# Altium PCB mutiADC_STM.PcbDoc (part 1 of 2) (continued)
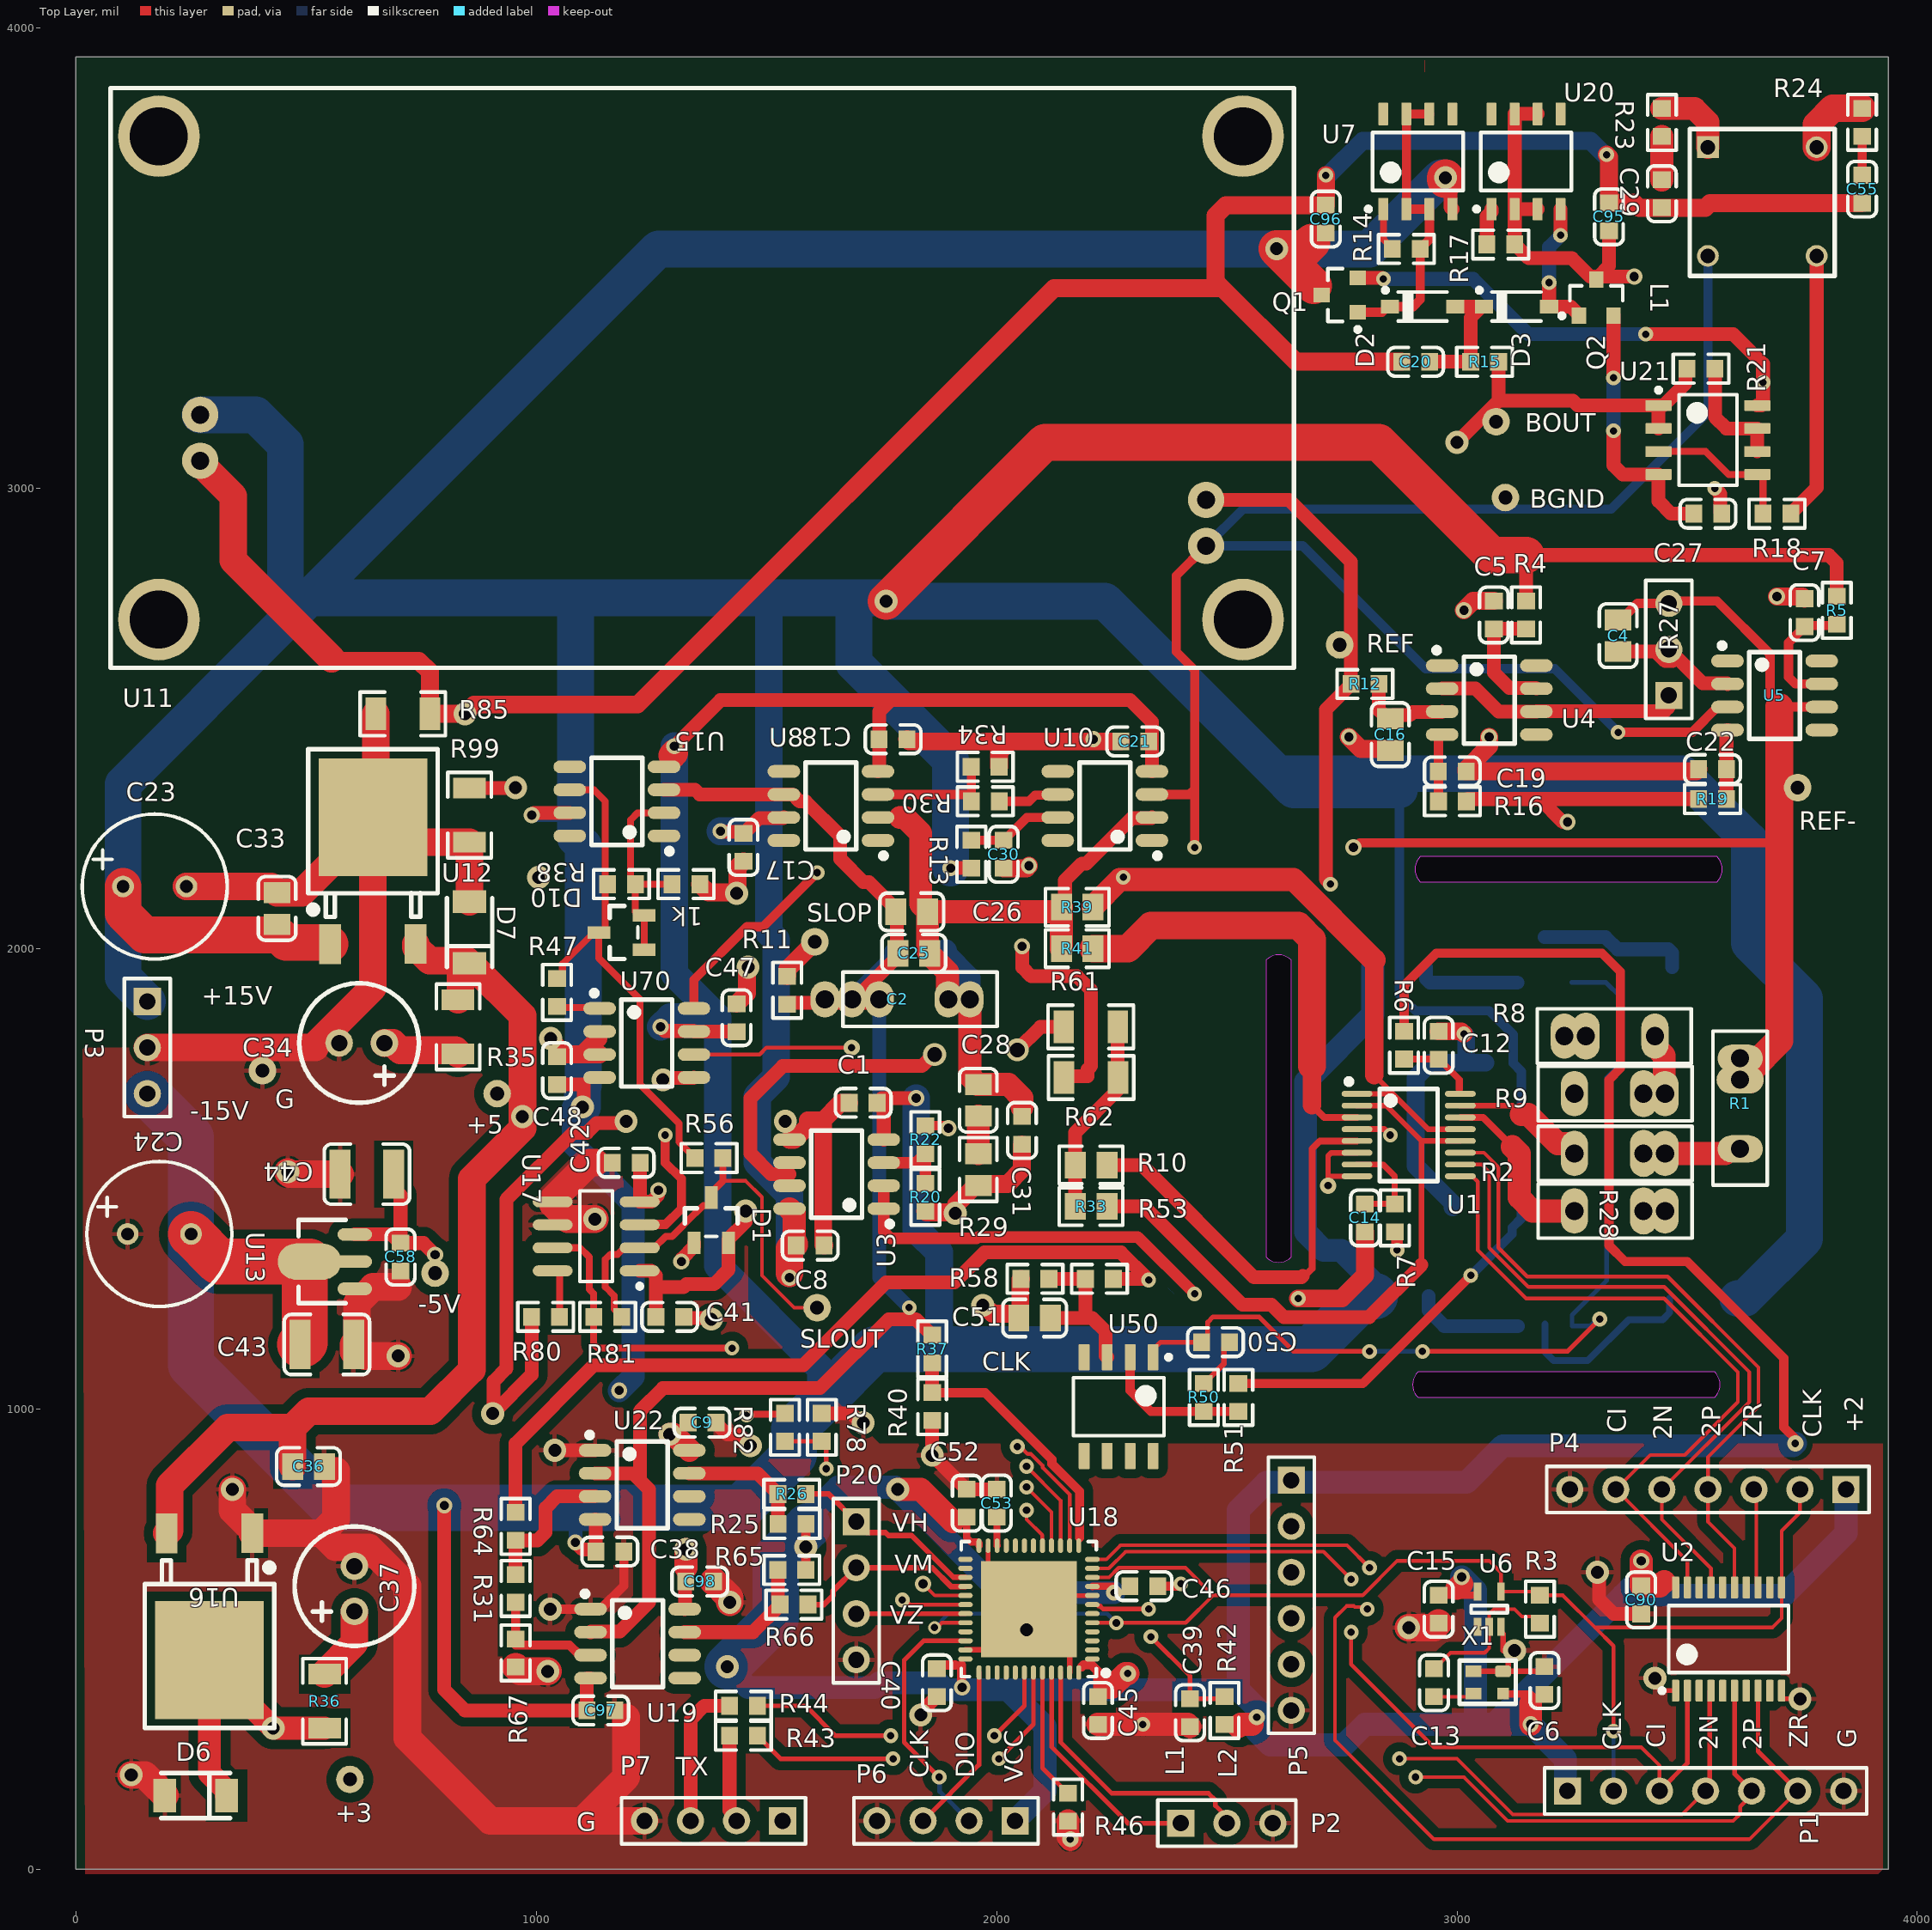
[diagram p0: Top Layer view]
## Footprints (in the part's own frame and the unit in brackets; to place one, negate y for a bottom-side part, rotate by r counter-clockwise, add the part's x,y. Pads: shape width x height; smd on the part's side, far side on the other; paste and mask are expansions set on the pad) (continued)
  silkscreen extent -3.1,-3.45 2.55,1.6
LM4 [mm]
  rect 1.2x1.2 hole 0.8: 1(0,0)
  round 1.2 hole 0.8: 2(0,-6) 3(6,-6) 4(6,0)
  silkscreen extent -1,-7.1 7,1
NSO8_N [mm] "SOIC, 8-Leads, Body 4.9x3.9mm, Pitch 1.27mm, IPC Medium Density"
  oval 2.2x0.6 smd: 1(-2.4,1.905) 2(-2.4,0.635) 3(-2.4,-0.635) 4(-2.4,-1.905) 5(2.4,-1.905) 6(2.4,-0.635) 7(2.4,0.635) 8(2.4,1.905)
  silkscreen extent -2.53,-2.5 0.9,2.88, body extent -2,-2.5 2,2.5, height 1.75
ONSC-SOT-23-3-318-08_V [mm] "SOT23, 3-Leads, Body 2.92x1.3mm, Pitch 0.95mm"
  rect 0.9x0.8 smd: 1(-1,0.95) 2(-1,-0.95) 3(1,0)
  silkscreen extent -1.13,-1.46 0.65,2.02, body extent -0.65,-1.46 0.65,1.46, height 1.11
PW0020A_L [mm] "SOP, 20-Leads, Body 6.6x4.5mm, Pitch 0.65mm, IPC High Density"
  rrect25% 1.2x0.4 smd: 1(-2.85,2.925) 2(-2.85,2.275) 3(-2.85,1.625) 4(-2.85,0.975) 5(-2.85,0.325) 6(-2.85,-0.325) 7(-2.85,-0.975) 8(-2.85,-1.625) 9(-2.85,-2.275) 10(-2.85,-2.925) 11(2.85,-2.925) 12(2.85,-2.275) 13(2.85,-1.625) 14(2.85,-0.975) 15(2.85,-0.325) 16(2.85,0.325) 17(2.85,0.975) 18(2.85,1.625) 19(2.85,2.275) 20(2.85,2.925)
  silkscreen extent -2.97,-3.3 1.85,3.8, body extent -3.21,-3.25 3.21,3.25, height 1
REF_PCB [mm]
  round 4.5 hole 3.2: 0(2.667,2.667) 0(2.667,29.337) 0(62.484,2.667) 0(62.484,29.337)
  round 2 hole 1: 1(4.953,13.97) 2(4.953,11.43) 3(60.452,6.731) 4(60.452,9.271)
  silkscreen extent 0,0 65.3,32
res_381 [mm]
  oval 1.5x2.5 hole 1: 1(0,0) 2(5,0)
  oval 1.5x2.6 hole 1: 2(3.81,0)
  silkscreen extent -2,-1.5 6.5,1.5
res_381_L [mm]
  oval 1.6x2 hole 1: 1(-3,0) 1(0,0)
  oval 1.5x2 hole 1: 1(-1.5,0) 2(3.81,0) 2(5,0)
  silkscreen extent -2,-1.5 6.5,1.5
SMD_2520 [mm]
  rrect50% 0.889x0.658 smd: 1(0,0)
  rect 0.889x0.65 smd: 2(1.63,0) 3(1.63,1.23)
  rect 0.65x0.65 smd: 4(0,1.23)
  silkscreen extent -0.7,-0.6 2.4,1.8
SOD-123 [mm]
  rect 1x0.75 smd: 1(1.8,0) 2(-1.8,0)
  silkscreen extent -2.17,-0.8 1.35,1.02

## Part data
1k R1 R2 R3 R4 R5 R6 R7 R8 R9 R10 R11 R12 R13 R14 R15 R16 R17 R18 R19 R20 R21 R22 R23 R24 R25 R26 R28 R29 R30 R31 R32 R33 R34 R35 R36 R37 R38 R39 R40 R41 R42 R43 R44 R46 R47 R48 R50 R51 R53 R55 R56 R57 R58 R61 R62 R64 R65 R66 R67 R78 R80 R81 R82 R85 R99: library part Res2, "Resistor", LatestRevisionDate=17-Jul-2002, LatestRevisionNote="Re-released for DXP Platform.", PackageDescription="Axial Device, Thru-Hole; 2 Leads; 0.4 in Pin Spacing", PackageReference=AXIAL-0.4, Published=8-Jun-2000, Publisher="Altium Limited"
C1 C2 C3 C4 C5 C6 C7 C8 C9 C12 C13 C14 C15 C16 C17 C18 C19 C20 C21 C22 C23 C24 C25 C26 C27 C28 C29 C30 C31 C33 C34 C36 C37 C38 C39 C40 C41 C42 C43 C44 C45 C46 C47 C48 C49 C50 C51 C52 C53 C55 C58 C90 C95 C96 C97 C98: library part CAP
D1 D10: "Schottky Barrier Double Diode", ComponentLink1Description="Manufacturer Link", ComponentLink1URL=http://www.semiconductors.philips.com/, ComponentLink2Description=Datasheet, ComponentLink2URL=http://www.semiconductors.philips.com/acrobat/datasheets/BAT54_SERIES_4.pdf, DatasheetVersion=4-Mar-2002, LatestRevisionDate=12-Dec-2006, LatestRevisionNote="IPC-7351 Footprint Added.", PackageDescription="3-Pin SOT-23 Package 0.95 mm Pitch, 2.3 mm Lead Span", PackageReference=SOT23, PackageVersion=May-1999, Published=17-Sep-2003, Publisher="Altium Limited"
D2 D3: library part BZT52C16_[C2105], "Imported", BOM_Manufacturer=CJ, BOM_Manufacturer_Part=BZT52C16, SuppliersPartNumber=C2105, ComponentLink1Description=供应商链接, ComponentLink1URL=https://so.szlcsc.com/global.html?c=&k=C2105, EditorVersion=3.12.3, LCEDA2ULVersion=0.1.6865.39546, LCEDA_url=https://lceda.cn/editor#id=!ca04ec34450a02ae72afae8c1a59e195, Publisher=JLC_SMT, Supplier=LCSC, utime="2017/1/4 21:18:35", uuid=ca04ec34450a02ae72afae8c1a59e195
D6 D7: library part "Diode 1N4006", "1 Amp General Purpose Rectifier", Code_JEDEC=DO-204-AL, ComponentLink1Description="Manufacturer Link", ComponentLink1URL=http://www.fairchildsemi.com/, ComponentLink2Description=Datasheet, ComponentLink2URL=http://www.fairchildsemi.com/ds/1N%2F1N4001.pdf, DatasheetVersion=1998, LatestRevisionDate=17-Jul-2002, LatestRevisionNote="Re-released for DXP Platform.", PackageDescription="Diode, Axial; Body 5.2 x 2.7 mm (LxDia. max), Lead Dia. 0.86 mm (max)", PackageReference=DO-41, PackageVersion=Aug-1999, Published=8-Jun-2000, Publisher="Altium Limited"
P1 P4: "Header, 7-Pin", LatestRevisionDate=17-Jul-2002, LatestRevisionNote="Re-released for DXP Platform.", Publisher="Altium Limited"
P2 P3: "Header, 3-Pin", LatestRevisionDate=17-Jul-2002, LatestRevisionNote="Re-released for DXP Platform.", Publisher="Altium Limited"
P5: "Header, 6-Pin", LatestRevisionDate=17-Jul-2002, LatestRevisionNote="Re-released for DXP Platform.", Publisher="Altium Limited"
P6 P7 P20: "Header, 4-Pin", LatestRevisionDate=17-Jul-2002, LatestRevisionNote="Re-released for DXP Platform.", Publisher="Altium Limited"
Q1: library part CMP-1048-00631-1, "General Purpose Transistor, NPN Silicon, 3-Pin SOT-23, Pb-Free, Tape and Reel", Manufacturer="On Semiconductor", ComponentLink1Description="Manufacturer URL", ComponentLink1URL=http://www.onsemi.com/, ComponentLink2Description=Datasheet, ComponentLink2URL=http://www.onsemi.cn/pub_link/Collateral/MMBT3904LT1-D.PDF, ComponentLink3Description="Package Specification", ComponentLink3URL=http://www.onsemi.cn/pub_link/Collateral/318-08.PDF, DatasheetVersion="Rev. 12", fT Min (MHz)=300, IC Continuous (A)=0.2, Mounting Technology="Surface Mount", PackageDescription="3-Pin Small Outline Transistor, Body 2.92 x 1.3 mm, Pitch 0.95 mm", PackageReference=SOT-23-3-318-08, PackageVersion="Rev. AP, 11/2009", Packing="Tape and Reel", PartNumber=MMBT3904LT1G, Polarity=NPN, RoHS=TRUE
Q2: library part CMP-1048-00670-1, "General Purpose Transistor, PNP Silicon, 3-Pin SOT-23, Pb-Free, Tape and Reel", Manufacturer="On Semiconductor", ComponentLink1Description="Manufacturer URL", ComponentLink1URL=http://www.onsemi.com/, ComponentLink2Description=Datasheet, ComponentLink2URL=http://www.onsemi.cn/pub_link/Collateral/MMBT3906LT1-D.PDF, ComponentLink3Description="Package Specification", ComponentLink3URL=http://www.onsemi.cn/pub_link/Collateral/318-08.PDF, DatasheetVersion="Rev. 11", fT Min (MHz)=250, IC Continuous (A)=-0.2, Mounting Technology="Surface Mount", PackageDescription="3-Pin Small Outline Transistor, Body 2.92 x 1.3 mm, Pitch 0.95 mm", PackageReference=SOT-23-3-318-08, PackageVersion="Rev. AP, 11/2009", Packing="Tape and Reel", PartNumber=MMBT3906LT1G, Polarity=PNP, RoHS=TRUE
R27: library part LS_RES
U2: library part CMP-1619-01020-2, "Octal Edge-Triggered D-Type Flip-Flop With 3-State Outputs, PW0020A, LARGE T&R", F @ Nom Voltage(Max)(Mhz)=100, Generic Part Number=SN74LVC574A, ICC @ Nom Voltage(Max)(mA)=0.01, Manufacturer="Texas Instruments", Operating Temperature Range(C)="-40 to 125,-40 to 85,-55 to 125", Rating=Catalog, tpd @ Nom Voltage(Max)(ns)=21.5,10,7.8,8.8, Voltage(Nom)(V)=1.8,2.5,2.7,3.3, 3-State Output=Yes, Bits(#)=8, Code_JEDEC=MO-153, DatasheetVersion=SCAS301R, Input Type=TTL,CMOS, Output Drive (IOL/IOH)(Max)(mA)=24/-24, Output Logic=Non-inverted, Output Type=CMOS, PackageReference=PW0020A, Schmitt Trigger=No, Technology Family=LVC, VCC(Max)(V)=3.6, VCC(Min)(V)=1.65
U3: library part TL072ACD, "Low-Noise JFET-Input Operational Amplifier", Code_IPC=SOIC127P600-8, Code_JEDEC=MS-012-AA, ComponentLink1Description="Manufacturer Link", ComponentLink1URL=http://www.onsemi.com/site/products/parametrics/0,4446,251,00.html, DatasheetVersion=1988, LatestRevisionDate=13-Apr-2006, LatestRevisionNote="IPC-7351 Footprint Added.", PackageDescription="8-Pin Small Outline Integrated Circuit 1.27 mm Pitch", PackageReference=751-02, Published=17-Jul-2002, Publisher="Altium Limited"
U4 U5 U8 U15: library part OP07CS, "Ultra-Low Offset Voltage Operational Amplifier", Code_IPC=SOIC127P600-8, Code_JEDEC=MS-012-AA, ComponentLink1Description="Manufacturer Link", ComponentLink1URL=http://www.analog.com/en/prod/0,,759_786_OP07%2C00.html, ComponentLink2Description=Datasheet, ComponentLink2URL=http://www.analog.com/UploadedFiles/Data_Sheets/39161232478959OP07_c.pdf, DatasheetVersion=1992, LatestRevisionDate=13-Apr-2006, LatestRevisionNote="IPC-7351 Footprint Added.", Note="Pin 5 is not connected.", PackageDescription="8-Pin Small Outline Integrated Circuit 1.27 mm Pitch", PackageReference=SO-8, PackageVersion=revA, Published=8-Jun-2000, Publisher="Altium Limited"
U7 U20: library part CMP-0063-00575-4, "3-Terminal Adjustable Current Source, 8-pin Narrow SOIC", Manufacturer="Texas Instruments", PackageTopMarking=NSZXTT*LM334*M, PowerWise=N, Code_IPC=SOIC127P600-8, Code_JEDEC=MS-012-AA, ComponentLink1Description="Datasheet URL", ComponentLink1URL=http://www.ti.com/general/docs/lit/getliterature.tsp?genericPartNumber=LM334&fileType=pdf, CompType=MiscPower, High-Reliability=Y, PackageDescription="SOIC Narrow, 4.9 x 3.9 x 1.45mm, 8 Lead, 1.27mm Pitch", PackageReference=D0008A, PartNumber=LM334M, PinCount=8, RoHS=N
U10: library part OP27GS, "Low-Noise, Precision Operational Amplifier", Code_IPC=SOIC127P600-8, Code_JEDEC=MS-012-AA, ComponentLink1Description="Manufacturer Link", ComponentLink1URL=http://www.analog.com/en/prod/0,,759_786_OP27%2C00.html, ComponentLink2Description=Datasheet, ComponentLink2URL=http://www.analog.com/UploadedFiles/Data_Sheets/314538596OP27_c.pdf, DatasheetVersion=1992, LatestRevisionDate=13-Apr-2006, LatestRevisionNote="IPC-7351 Footprint Added.", Note="Pin 5 is not connected.", PackageDescription="8-Pin Small Outline Integrated Circuit 1.27 mm Pitch", PackageReference=SO-8, PackageVersion=revA, Published=8-Jun-2000, Publisher="Altium Limited"
U17: "Ultra-Fast, Precision TTL Comparator", Code_IPC=SOIC127P600-8, Code_JEDEC=MS-012-AA, ComponentLink1Description="Manufacturer Link", ComponentLink1URL=http://www.maxim-ic.com/, DatasheetVersion=Mar-1993, LatestRevisionDate=13-Apr-2006, LatestRevisionNote="IPC-7351 Footprint Added.", PackageDescription="8-Pin Small Outline Integrated Circuit 1.27 mm Pitch", PackageReference=NSO8, Published=16-Jan-2001, Publisher="Altium Limited"
U19 U22: "High-Performance Voltage Comparator", Code_IPC=SOIC127P600-8, Code_JEDEC=MS-012-AA, ComponentLink1Description="Manufacturer Link", ComponentLink1URL=http://www.onsemi.com/site/products/taxonomy/0,4438,133,00.html, DatasheetVersion=1988, LatestRevisionDate=13-Apr-2006, LatestRevisionNote="IPC-7351 Footprint Added.", PackageDescription="8-Pin Small Outline Integrated Circuit 1.27 mm Pitch", PackageReference=751-02, Published=17-Jul-2002, Publisher="Altium Limited"
U21: library part CMP-0272-00255-3, "11 MHz, Precision, Low Noise, Rail-to-Rail Output, JFET Operational Amplifier, 4.5 to 36 V, -40 to 125 degC, 8-pin SOIC (D8), Green (RoHS & no Sb/Br)", Manufacturer="Texas Instruments", Rating=Catalog, Total Supply Voltage(Max)(+5V is 5, +/-5V is 10)=36, Total Supply Voltage(Min)(+5V is 5, +/-5V is 10)=4.5, CMRR(Min)(dB)=126, Code_JEDEC=MS-012, ComponentLink1Description="Manufacturer URL", ComponentLink1URL=http://www.ti.com/, ComponentLink2Description=Datasheet, ComponentLink2URL=http://www.ti.com/lit/ds/symlink/opa2140.pdf, ComponentLink3Description="Package Specification", ComponentLink3URL=http://www.ti.com/litv/pdf/msoi002j, DatasheetVersion=SBOS498A, Eco-Plan="Green (RoHS & no Sb/Br)", GBW(Typ)(MHz)=11, IIB(Max)(pA)=10, Iq per channel(Max)(mA)=2, Mounting Technology="Surface Mount", Number of Channels=2, Offset Drift(Typ)(uV/C)=0.35, PackageDescription="8-Pin Plastic Small Outline, Body 4.9 x 3.9 mm, Pitch 1.27 mm", PackageReference=D0008A, PackageVersion="4040047-3/M, 06/2011", Packing=TUBE, PartNumber=OPA2140AID, Slew Rate(Typ)(V/us)=20, Sub Family="High Supply Voltage Amplifier (>=30V), Low Input Bias Current Amp (<=10pA), Low Noise Amp (<=10nV/rtHz), Low Offset Voltage Amplifier (<=500uV), Precision Amplifier", Vio (25C)(Max)(mV)=0.12
U50: library part CMP-0272-00255-3, "11 MHz, Precision, Low Noise, Rail-to-Rail Output, JFET Operational Amplifier, 4.5 to 36 V, -40 to 125 degC, 8-pin SOIC (D8), Green (RoHS & no Sb/Br)", Manufacturer="Texas Instruments", PartNumber=OPA2140AID, Rating=Catalog, Total Supply Voltage(Max)(+5V is 5, +/-5V is 10)=36, Total Supply Voltage(Min)(+5V is 5, +/-5V is 10)=4.5, CMRR(Min)(dB)=126, Code_JEDEC=MS-012, ComponentLink1Description="Manufacturer URL", ComponentLink1URL=http://www.ti.com/, ComponentLink2Description=Datasheet, ComponentLink2URL=http://www.ti.com/lit/ds/symlink/opa2140.pdf, ComponentLink3Description="Package Specification", ComponentLink3URL=http://www.ti.com/litv/pdf/msoi002j, DatasheetVersion=SBOS498A, Eco-Plan="Green (RoHS & no Sb/Br)", GBW(Typ)(MHz)=11, IIB(Max)(pA)=10, Iq per channel(Max)(mA)=2, Mounting Technology="Surface Mount", Number of Channels=2, Offset Drift(Typ)(uV/C)=0.35, PackageDescription="8-Pin Plastic Small Outline, Body 4.9 x 3.9 mm, Pitch 1.27 mm", PackageReference=D0008A, PackageVersion="4040047-3/M, 06/2011", Packing=TUBE, Slew Rate(Typ)(V/us)=20, Sub Family="High Supply Voltage Amplifier (>=30V), Low Input Bias Current Amp (<=10pA), Low Noise Amp (<=10nV/rtHz), Low Offset Voltage Amplifier (<=500uV), Precision Amplifier", Vio (25C)(Max)(mV)=0.12

## Free pads (board coordinates)
  round 60 hole 30: 2(1605,2015) 3(3105,2980) 4(3085,3145) 5(2745,2660) 6(3740,2350) 7(1610,1220) 8(595,195) 9(780,1295) 10(915,1685) 11(405,1735)

## Via types
v1: diameter 32, hole 16, Top Layer to Bottom Layer, tented both sides, 52 vias
v2: diameter 50, hole 28, Top Layer to Bottom Layer, tented both sides, 45 vias
v3: diameter 35, hole 20, Top Layer to Bottom Layer, tented both sides, 29 vias
v4: diameter 35, hole 16, Top Layer to Bottom Layer, tented both sides, 7 vias
v5: diameter 50, hole 32, Top Layer to Bottom Layer, tented both sides, 2 vias
v6: diameter 28, hole 16, Top Layer to Bottom Layer, tented both sides, 1 vias

## Nets (pads, with @x,y where several pads share a name; then routed paths per layer and width w, separated by ;. In a path a pad name is that pad's centre, name@x,y a point inside that pad or via, vN(x,y) a via of type N, cw(c..) or ccw(c..) an arc to the next point about the centre after c; other vN are vias at no path point)
+3.3VA: C12.1 R6.2 U1.16 | length 159
  Top Layer w15: R6.2@2885,1760 2885.16,1759.84 2959.84,1759.84 C12.1@2960,1759.68 2960.98,1759.68 3005,1715.67 3005,1695
+3V: C6.1 C15.1 C40.1 C45.1 C46.1 C52.1 C90.1 D6.2 P1.1 P4.1 P5.1 P6.1 P7.1 pad.8 R6.1 R25.1 R36.1 R42.2 R65.1 R80.1 U2.20 U6.5 U16.2 U18.1 U18.9 U18.24 U18.36 U18.48 U70.5 X1.4 | length 13761.1
  Top Layer w16: C52.1@1935,764.68 1935,720 1944.46,710.54 1959.24,710.54 1961.73,708.06 U18.24@1961.73,702.8 ; U18.9@2207.8,614.21 2207.97,614.39 v4@2255,614.39 ; C15.1@2960,595.32 3044.14,595.32 3044.41,595.58 U6.5@3044.41,603.19 ; X1.4@3100,381.57 3100.94,380.63 3160,380.63
  Top Layer w20: R65.1@1585.31,650 1585.47,650.16 v2(1585.47,700) 1585.47,749.84 R25.1@1585.63,750 ; C40.1@1870,435.32 1878.31,443.62 1910,443.62 ; 1923.62,443.62 1923.62,396.38 v3(1925,395) ; 2185,440 2189.22,444.22 2205.78,444.22 2220,430 C45.1@2220,375.32 ; R6.1@2885,1820.63 2885,1920 2955,1990 3315,1990 3355,1950 3355,1740 3330,1715 3330,1355 3365,1320 3500,1320 3710,1110 3710,960 v4@3740,930
  Top Layer w30: v2(905,990) v2@907.12,992.12 ; R80.1@989.69,1200 989.69,1074.69 v2@907.12,992.12 ; v2(1195,1625) 1191.17,1621.17 1131.17,1621.17 1110,1600 1080,1600 935,1455 935,1087.88 907.12,1060 v2@907.12,992.12 ; v2(1275,1715) 1278.78,1718.78 1341.14,1718.78 U70.5@1342.36,1720
  Top Layer w50: U16.2@290,454.41 U16.2@290,444.57 ; D6.2@326.93,160 326.93,171.02 290,207.95 U16.2@290,444.57 ; R36.1@540,306.34 v2(428.23,306.34) U16.2@290,444.57 ; v2(1785,825) 1835,825 1905,755 ; 2235,395 2250,395 2280,425 v4(2285,425) ; 2525,310 2530,315 2555,315 ; 3000,610 v3@3010,620 ; v3(3160,315) 3160,360 ; v3(3400,670) C90.1@3400,615.32 3440.31,615.32 3450,625
  Layer 1 w30: v2(1195,1625) 1195,1630.41 1205,1640.41 1205,1685 1235,1715 v2(1275,1715)
  Layer 1 w100: v2(428.23,306.34) 484.57,250 845,250 ; v2(905,990) 915,980 915,320 845,250 ; v2(1415,440) 1255,280 1255,250 ; 1555,140 1555,191.42 1496.42,250 1255,250 ; 845,250 1255,250
  Bottom Layer w50: v2(1415,440) 1460.53,394.47 1734.47,394.47 1745,405 1872.5,405 1887.5,390 2025,390 ; 1590,745 1590,765 1655,830 1780,830 v2(1785,825) 2009.33,600.67 v4(2255,600.67) ; P6.1@2040,105 2105,170 2105,310 2025,390 ; v4(2285,425) 2250,390 ; v3(3010,635) 3010.71,635 3040,605.71 3040,315 ; P1.1@3240,170 3235.47,174.53 3235.47,239.53 v3(3160,315) 3080,315 ; v3(3400,670) 3400,635 3360,595 ; v4(3735,925) 3730,920 3100,920 3020.47,840.47 2585.47,840.47 2525,780 2525,390 ; P4.1@3845,825 3845,730 3710,595 3360,595 ; 2025,390 2250,390 ; 2250,390 2525,390 ; 2525,390 2565,350 v4(2565,330) 2565,299.29 2594.29,270 2755,270 2800,315 3040,315 ; 3040,315 3080,315 ; 3080,315 3360,595
  Bottom Layer w100: v2(1415,440) 1520,545 1520,675 1590,745
+5V: C36.1 C41.1 D1.2 D7.2 pad.10 R35.1 U12.3 U16.3 U17.1 | length 3164.6
  Top Layer w30: U17.1@1224.49,1300 1249.61,1300 1259.68,1289.92 1259.68,1265 ; C41.1@1259.68,1200 1259.68,1265 ; v2(1455,1430) 1455,1406.77 1417.4,1369.17 D1.2@1417.4,1360.79 1417.4,1302.4 1386,1271 1325.84,1271 1319.84,1265 1259.68,1265
  Top Layer w60: U16.3@197.04,729.84 203.41,736.21 203.41,833.41 329.85,959.85 470.55,959.85 ; C36.1@470.55,875 470.55,959.85 ; U12.3@737.96,2010.16 737.96,2003.23 767.73,1973.46 849.61,1973.46 D7.2@855,1968.07 853.98,1968.07 848.58,1962.68 848.58,1961.65 835.43,1948.5 835.43,1894.09 R35.1@830,1888.66 ; D7.2@861.42,1962.68 970,1854.09 970,1610 860,1500 860,1085 770,995 505.7,995 470.55,959.85
  Layer 1 w30: v2(970,1635) 1065,1540 1345,1540 v2(1455,1430)
+15V: C8.1 C9.1 C17.1 C23.1 C33.1 C48.1 C49.1 C96.1 C98.1 P3.1 Q1.3 R4.1 R5.1 R13.2 R32.2 R48.2 U3.8 U7.4 U8.7 U11.1 U12.1 U14.8 U15.7 U19.8 U22.8 U70.4 | length 18742.3
  Top Layer w30: v3(990,2290) 995,2295 U15.7@1072.64,2295 ; C48.1@1045,1704.68 1103.11,1704.68 1103.11,1659.11 v2(1100,1656) ; U19.8@1322.36,565 1323.52,566.16 1323.52,623.84 C98.1@1324.68,625 ; v3(1400,2255) 1401.38,2253.62 1446.06,2253.62 1449.68,2250 C17.1@1450,2250.32 1450.98,2250.32 1484.45,2283.78 1536.42,2283.78 U8.7@1537.64,2285 ; v3(1900,2175) 1944.68,2175 R13.2@1945,2174.68 ; v2@2985.83,3658.76 2985.83,3610.83 U7.4@2990,3606.65 ; R4.1@3150,2755.31 3150,2855 3807.43,2855 3825,2837.43 R5.1@3825,2765.31
  Top Layer w50: v2(1290,945) 1298.15,945 1332.36,910.79 U22.8@1332.36,910 ; 1325,655 v2(1325,695) ; U3.8@1550,1435 1560.43,1424.57 1560.43,1359.25 C8.1@1564.68,1355
  Top Layer w60: v3@1550,1295 1550,1348.82 C8.1@1560.43,1359.25
  Top Layer w80: C23.1@102.2,2135 102.2,2076.86 149.07,2030 440,2030 456.69,2013.31 548.73,2013.31 U12.1@552.04,2010 ; v2(1760,2755) 2105,3100 2830,3100 3075,2855 3150,2855 ; 2685,3535 2670.43,3520.43 v2(2608.37,3520.43) 2688.8,3440 ; v2@2975,3671 v2(2975,3675)
  Layer 1 w50: v3(1180,1040) 1195,1040 v2(1290,945) 1290,730 v2(1325,695)
  Bottom Layer w20: 2875,2345 2875,1900 2910,1865 3070,1865 3121.91,1813.09 C49.1@3121.91,1752.21 3121.91,1751.22 3140,1733.14 U14.8@3140,1642.36
  Bottom Layer w30: v3(990,2290) 1085,2290
  Bottom Layer w50: v2@1080,1655 1080,1575 1210,1445 1210,1070 v3(1180,1040)
  Bottom Layer w60: v3(1400,2255) 1505,2255 ; 1505,2762.5 1505,2255 ; v3@1550,1295 1550,1465 1480,1535 1480,1680 1521,1721 1521,2019 1505,2035 1505,2255
  Bottom Layer w80: P3.1@155,1885 102.2,1937.8 C23.1@102.2,2135 102.2,2357.2 455,2710 ; U11.1@270,3160 390,3160 455,3095 455,2710 ; v2(1100,1656) 1100,1700 1102,1702 1102,2223.75 1085,2240.75 1085,2290 1085,2762.5 ; v3(1900,2175) 1900,2410 1690,2620 1690,2762.5 ; 2875,2345 2645,2345 2610,2380 ; v2(2975,3675) 2965,3675 2810,3520 1265,3520 507.5,2762.5 ; 3610,1240 3625,1240 3755,1370 3755,1891.93 3635,2011.93 3635,2235 3490,2380 2610,2380 ; 455,2710 507.5,2762.5 ; 507.5,2762.5 1085,2762.5 ; 1085,2762.5 1505,2762.5 1690,2762.5 ; 1690,2762.5 1752.5,2762.5 v2(1760,2755) 2235,2755 2610,2380
  other v3: 1550,1285
-2V: R7.1 U3.1 U3.2 | length 1394.3
  Top Layer w25: U3.2@1754.72,1485 1754.72,1385.28 1769.37,1370.63 1956.75,1370.63 1959.62,1373.5 2306.5,1373.5 v1(2430,1250) ; R7.1@2865,1384.69 2870,1379.69 v1(2870,1345)
  Layer 1 w25: v1(2430,1250) 2478,1202 2727,1202 v1(2870,1345)
-2VA: C14.1 R7.2 U1.7 | length 217.7
  Top Layer w13: U1.7@2782.8,1531.02 2838.98,1531.02 2865,1505 R7.2@2865,1445.32 C14.1@2800,1445.32
-5V: C42.1 C44.1 C58.1 D1.1 pad.9 U13.3 U17.4 | length 1212.1
  Top Layer w30: U13.3@605.59,1379.06 685.28,1379.06 704.02,1360.32 C58.1@705,1360.32 ; C44.1@690,1510 690,1479.29 705,1464.29 C58.1@705,1360.32 ; v3(780,1335) 754.68,1360.32 C58.1@705,1360.32 ; C42.1@1225.32,1535 1224.9,1534.59 1224.9,1450.41 U17.4@1224.49,1450 1249.61,1450 1264.44,1464.83 1264.44,1474.04 v3(1265.39,1475) ; v3(1315,1320) 1315.96,1320.96 1315.96,1325.76 1342.6,1352.4 D1.1@1342.6,1360.79
  Layer 1 w30: v3(780,1335) 782.5,1337.5 1297.5,1337.5 1265.39,1369.61 v3(1265.39,1475)
-15V: C1.1 C18.1 C21.1 C24.2 C38.1 C43.1 C47.1 C95.1 C97.1 P3.3 Q2.3 R16.2 R17.2 R19.2 R55.1 R57.1 U3.4 U8.4 U10.4 U13.2 U15.4 U19.4 U20.2 U20.3 U20.6 U20.7 U22.4 U70.7 | length 16672.9
  Top Layer w30: v3(800,790) 800,390 845,345 C97.1@1109.68,345 1109.68,413.78 1110.91,415 U19.4@1117.64,415 ; v3(1085,710) 1100.71,694.29 1126.06,694.29 C38.1@1129.37,690.98 ; U22.4@1127.64,760 1128.15,760 1129.37,758.78 C38.1@1129.37,690.98 ; C38.1@1129.37,690 C38.1@1129.37,690.98 ; v3(1270,1830) 1278.78,1821.22 1341.14,1821.22 U70.7@1342.36,1820 1342.52,1819.84 1434.84,1819.84 C47.1@1435,1819.68 ; v3(1300,2440) 1400,2540 1770,2540 ; U8.4@1742.36,2385 1743.46,2385 1744.68,2386.22 C18.1@1744.68,2455 1744.68,2514.68 1770,2540 ; U3.4@1754.72,1585 1754.72,1649.61 1740.32,1664.02 C1.1@1740.32,1665 1740.32,1665.98 1743.62,1669.29 1744.61,1669.29 1750.32,1675 v3(1825,1675) ; U10.4@2337.36,2385 2337.36,2492.64 2290,2540 1770,2540 ; R16.2@3020.32,2320 3020.32,2320.98 3024.33,2325 3180,2325 ; U20.2@3125,3606.65 U20.2@3125.32,3606.65 ; U20.3@3175,3606.65 U20.2@3125.32,3606.65 ; U20.6@3175,3813.35 U20.7@3125,3813.35 3125.32,3813.03 U20.2@3125.32,3606.65 ; v3(3240,2275) 3230,2275 3180,2325 ; Q2.3@3302.6,3453.74 3302.6,3455.71 Q2.3@3306.89,3460 ; C95.1@3330,3559.69 3330,3483.11 Q2.3@3306.89,3460 ; v3(3385,3460) Q2.3@3306.89,3460 ; R19.2@3524.68,2325 3180,2325 ; U20.2@3125.32,3606.65 R17.2@3125.32,3530 3125.32,3529.02 3128.62,3525.71 3129.61,3525.71 3155.32,3500 3249.48,3500 3289.48,3460 Q2.3@3306.89,3460
  Top Layer w60: 1295,2420 v3@1300,2425
  Top Layer w100: C24.2@250,1380 310,1320 U13.2@507.17,1320 497.05,1309.88 497.05,1143.54 493.5,1140 C43.1@486.93,1140
  Layer 1 w30: v3(3240,2275) 3240,2340 3250,2350
  Layer 1 w100: P3.3@155,1685 175.95,1685 240.53,1749.57 240.53,1805.53 405,1970 405,2515 1265,3375 3250,3375 ; 3250,2350 3250,3375 ; v3(3385,3460) 3300,3375 3250,3375
  Bottom Layer w30: v3(1085,710) 1085,780 1090,785
  Bottom Layer w50: R57.1@2816.93,1960 2816.93,1856.93 2671,1711 2671,1384 2710.75,1344.25 2749.05,1344.25 2821.93,1271.38 R55.1@2821.93,1245
  Bottom Layer w60: v3(1270,1830) 1291,1851 1394,1851 ; v3(1300,2440) 1300,1945 1394,1851 ; 1618.58,1015 1618.58,1086.42 1394,1311 1394,1851 ; v3(1825,1675) 1825,1390 1875,1340 1875,1130
  Bottom Layer w100: P3.3@155,1685 250,1590 C24.2@250,1380 250,1095 560,785 1090,785 1444.55,785 1560,900.45 1560,956.42 1618.58,1015 1620,1015 1735,1130 1875,1130 2683.31,1130 2798.31,1245 R55.1@2821.93,1245
ADC_IN: R37.1 R40.2 U18.13 | length 579.4
  Top Layer w20: R40.2@1860,1035.32 1974.68,1035.32 2120,890 2120,880.77 2180,820.77 2180,720
  Top Layer w30: R40.2@1860,1035.32 R37.1@1860,1099.69
AGND: 1k.2 C1.2 C5.1 C7.1 C8.2 C12.2 C14.2 C16.1 C17.2 C18.2 C19.1 C20.1 C21.2 C22.1 C29.2 C30.2 C31.2 C47.2 C48.2 C49.2 C51.1 C55.2 C95.2 C96.2 R20.1 R29.1 R34.2 R58.1 R85.1 U3.5 U11.2 U14.4 U70.2 U70.3 | length 16863.1
  Top Layer w39: 568.66,2625 745,2625 768.66,2601.34 R85.1@768.66,2510 v2(845,2510) 865.32,2530.32 1220,2530.32 2124.68,3435 2490,3435 ; v2@1002.9,2157.1 v2(1005,2155) ; v2(1031,1805) 1031,1802.02 1050,1783.02 1050,1770 1100,1770 ; 1135,1805 1100,1770 ; U70.3@1137.64,1770 1100,1770 ; 1k.2@1355.32,2140 1373.21,2122.1 1432.9,2122.1 v2(1435,2120) 1437.1,2122.1 1437.1,2176.79 C17.2@1450,2189.68 ; C47.2@1435,1880.32 1457.9,1903.21 1457.9,1957.9 v2(1460,1960) ; U3.5@1550,1585 1560.21,1585 1590,1614.79 1590,1627.1 1623.08,1627.1 ; C8.2@1625.32,1355 1623.08,1357.23 1623.08,1627.1 ; C1.2@1679.68,1665 1660.98,1665 1623.08,1627.1 ; C18.2@1805.32,2455 1810.32,2450 2028.16,2450 ; R20.1@1845,1429.69 1847.58,1427.1 1907.9,1427.1 v2(1910,1425) 1912.1,1427.1 1912.1,1443.76 1957.23,1488.89 2023.89,1488.89 2055,1520 C31.2@2055,1574.68 ; v2(1970,1225) 1972.98,1225 1991.07,1206.91 2044.81,1206.91 2048.15,1203.57 C51.1@2048.15,1197.47 2051.48,1200.8 2051.48,1281.12 R58.1@2052.83,1282.47 ; R34.2@2005.32,2395 2005.32,2427.15 2028.16,2450 ; C30.2@2015,2174.68 2064.68,2174.68 v3(2070,2180) ; C21.2@2269.68,2450 2028.16,2450 ; v1(2655,1240) 2749.5,1240 2800,1290.5 C14.2@2800,1384.68 ; v1(2715,3680) C96.2@2715,3615.31 2498.16,3615.31 2475.32,3592.47 2475.32,3449.69 2490,3435 ; v3(2765,2460) 2791.11,2433.89 2851.67,2433.89 C16.1@2855,2430.55 ; C20.1@2879.68,3275 2650,3275 2490,3435 ; C12.2@2960,1820.32 3009.68,1820.32 v1(3015,1815) ; v3(3015,2735) 3035.32,2755.32 C5.1@3080,2755.32 ; v3(3070,2460) 3070,2440 3020,2390 C19.1@3020,2385 3519.69,2385 C22.1@3524.69,2390 ; v1(3325,3725) 3330,3720 C95.2@3330,3620.31 3384.69,3620.31 3395.31,3609.69 C29.2@3445,3609.69 3539.69,3609.69 3549.69,3619.69 C55.2@3880,3619.69 ; v3(3695,2765) 3750.31,2765 C7.1@3755,2760.32
  Top Layer w60: U11.2@270,3060 270,3054.93 341.34,2983.59 341.34,2843.66 555,2630
  Layer 2 w39: v2(1005,2155) 1025,2155 1040,2140 ; v2(1031,1805) 1031,1899 1040,1908 1040,2100 ; v2(1435,2120) 1415,2100 1390,2100 ; v2(1910,1425) 1770,1425 ; v2(1970,1225) 1872.5,1322.5 ; v3(2070,2180) 2070,2315 v3(2210,2455) 2215,2460 2235,2460 ; v1(3015,1815) 2895,1815 2674.5,1594.5 2674.5,1259.5 v1(2655,1240) 2560,1240 2477.5,1322.5 1872.5,1322.5 ; v3(3015,2735) 3015,2730 3070,2675 v3(3070,2460) ; v3(3695,2765) 3695,2615 3485,2405 3252.5,2405 3197.5,2460 v3(3070,2460) ; 1040,2100 1390,2100 ; 1040,2100 1040,2140 ; 1040,2140 1040,2400 991.05,2448.95 906.05,2448.95 v2(845,2510) 2185,2510 2235,2460 ; 1390,2100 1460,2030 v2(1460,1960) 1460,1680 1500,1640 1500,1605 1680,1425 1770,1425 ; 1770,1425 1872.5,1322.5 ; 2235,2460 v3(2765,2460) v3(3070,2460)
  Bottom Layer w39: v1(2715,3680) 2720,3680 2795,3755 3290,3755 3320,3725 v1(3325,3725) ; U14.4@2990,1437.64 2990,1447.85 2910,1527.85 2910,1720 2942.21,1752.21 3020,1752.21 ; v1(3015,1815) 3020,1810 3020,1752.21 ; C49.2@3061.28,1752.21 3020,1752.21
  other v2: 1541,1625